# KiCad board rabbit_mask_video_edit.kicad_pcb (continued)
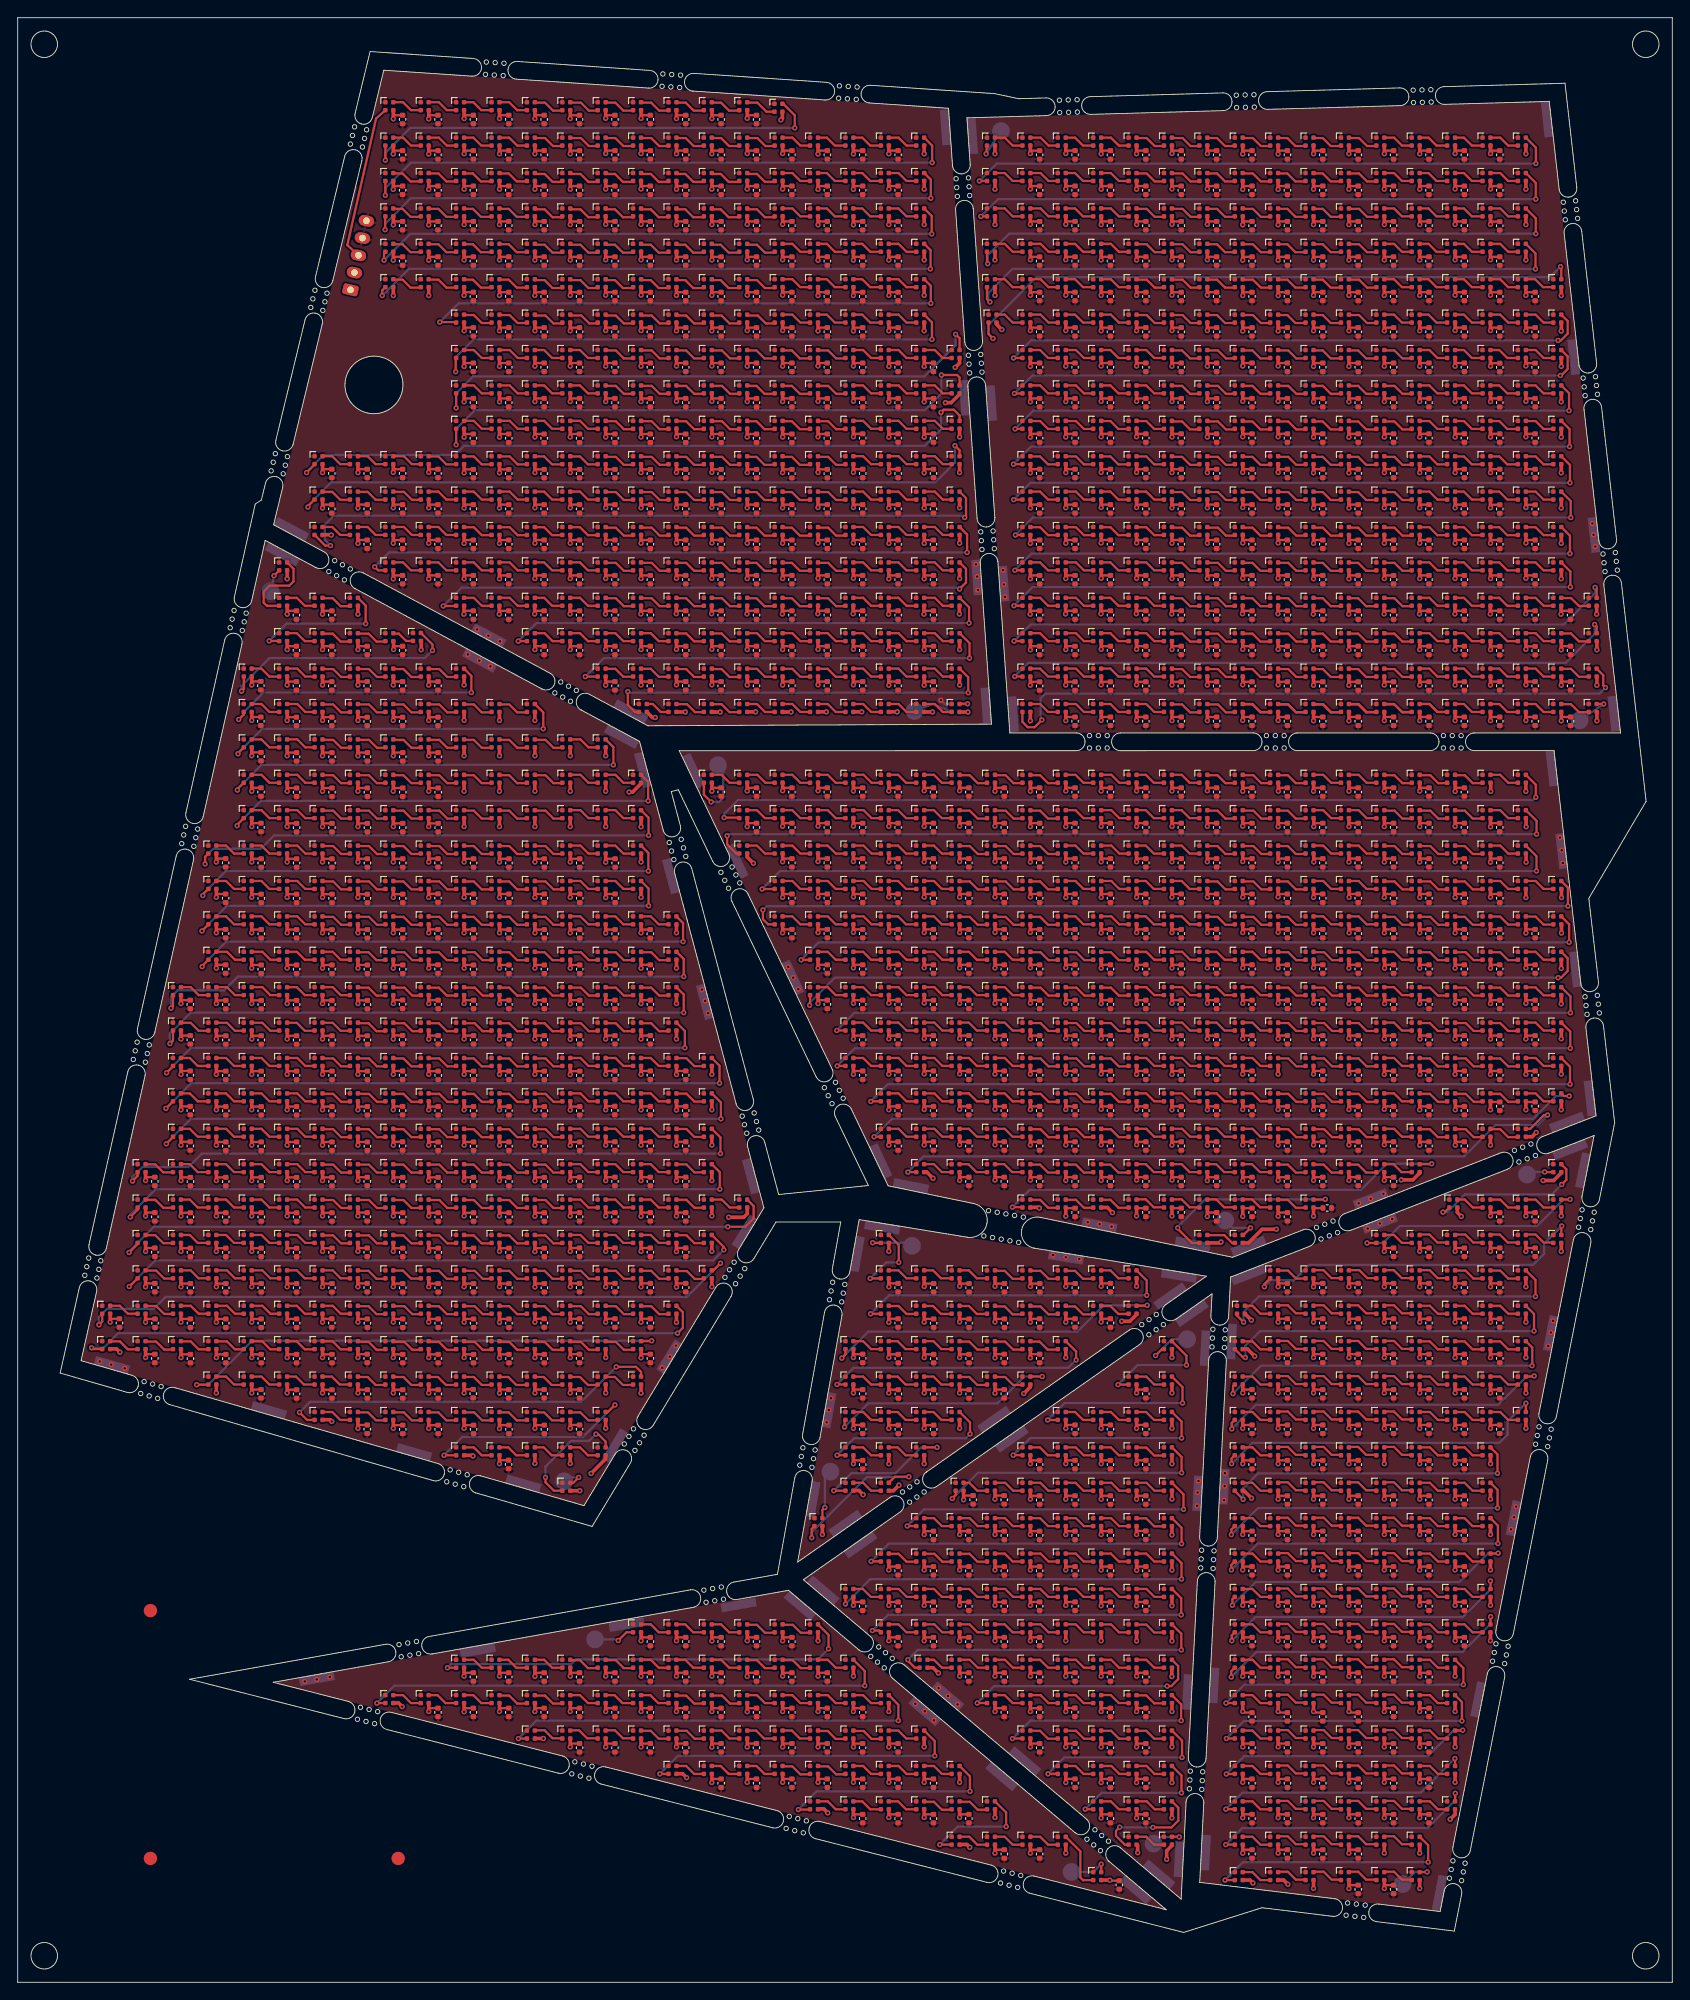
[diagram p0: board, top side]
## Routing (per net, layer and track width the routed paths; a pad name or vN(x,y) marks a point on that pad's centre or on a via; arc(x,y) is an arc through that point) (continued)
/1_IN: length 17.8
  Top w0.25: D1.1 40.5,210.6 37.25,196.3 J1485.3
/1_OUT: length 4.5
  Bottom w0.25: D1659.3 103.4,144.45 TP1500.1
/2_IN: length 4
  Top w0.25: D29.1 v1(109.45,206.62)
  Bottom w0.25: v1(109.45,206.62) TP1501.1
/2_OUT: length 4.1
  Top w0.25: D582.3 v1(179.25,144.45)
  Bottom w0.25: v1(179.25,144.45) TP1502.1
/3_IN: length 2.6
  Top w0.25: D408.1 v1(28.98,158.95)
  Bottom w0.25: v1(28.98,158.95) TP1504.1
/3_OUT: length 3
  Top w0.25: v1(63.4,57.05) 62.8,56.45 D1258.3
  Bottom w0.25: TP1514.1 62.2,57.05 v1(63.4,57.05)
/4_IN: length 8
  Top w0.25: v1(78.38,133.38) 77.55,134.2 D606.1
  Bottom w0.25: TP1503.1 79.75,136.93 79.75,133.85 79.28,133.38 v1(78.38,133.38)
/4_OUT: length 4.4
  Top w0.25: D1074.3 138.53,84.45 v1(139.32,85.25)
  Bottom w0.25: TP1505.1 137.3,85.25 v1(139.32,85.25)
/5_IN: length 5.5
  Top w0.25: v1(96.62,83.57) 96.65,83.55 D1072.1
  Bottom w0.25: TP1510.1 100.72,83.57 v1(96.62,83.57)
/5_OUT: length 5.6
  Top w0.25: D1276.3 90.95,53.38 v1(91.22,53.65)
  Bottom w0.25: v1(91.22,53.65) 91.22,57.07 TP1511.1
/6_IN: length 4.7
  Top w0.25: v1(67.88,38.62) 68.8,39.55 D1328.1
  Bottom w0.25: v1(67.88,38.62) 67.75,38.75 TP1513.1
/6_OUT: length 4.6
  Top w0.25: D1478.3 v1(122.45,13.35)
  Bottom w0.25: TP1512.1 121.57,12.47 v1(122.45,13.35)
/7_IN: length 5.6
  Top w0.25: v1(128.6,70.82) 129.32,71.55 D1171.1
  Bottom w0.25: TP1509.1 130.45,72.68 v1(128.6,70.82)
/7_OUT: length 4
  Top w0.25: v1(131.28,16.43) 131.25,16.45 D1471.3
  Bottom w0.25: TP1508.1 129.12,16.43 v1(131.28,16.43)
/8_IN: length 3.1
  Top w0.25: D1023.1 172.6,91.55 v1(172.57,91.57)
  Bottom w0.25: TP1506.1 170.88,91.57 v1(172.57,91.57)
/8_OUT: length 4.2
  Top w0.25: D1484.3 159.28,12.45 v1(159.3,12.47)
  Bottom w0.25: v1(159.3,12.47) 157.9,12.47 TP1507.1
Net-(D1-DOUT): length 3.5
  Top w0.25: D2.1 44.45,211.55 43.55,212.45 D1.3
Net-(D2-DOUT): length 3.5
  Top w0.25: 49.6,211.55 48.5,211.55 47.6,212.45 46.5,212.45
Net-(D3-DOUT): length 3.5
  Top w0.25: 53.5,211.55 52.4,211.55 51.5,212.45 50.4,212.45
Net-(D4-DOUT): length 3.5
  Top w0.25: D4.3 55.55,212.45 56.45,211.55 D5.1
Net-(D5-DOUT): length 3.5
  Top w0.25: 58.5,212.4 59.6,212.4 60.5,211.5 61.6,211.5
Net-(D6-DOUT): length 3.5
  Top w0.25: 62.55,212.4 63.65,212.4 64.55,211.5 65.65,211.5
Net-(D7-DOUT): length 3.5
  Top w0.25: 69.55,211.5 68.45,211.5 67.55,212.4 66.45,212.4
Net-(D8-DOUT): length 3.5
  Top w0.25: 70.5,212.4 71.6,212.4 72.5,211.5 73.6,211.5
Net-(D10-DIN): length 3.5
  Top w0.25: 74.4,212.4 75.5,212.4 76.4,211.5 77.5,211.5
Net-(D10-DOUT): length 3.5
  Top w0.25: 81.5,211.5 80.4,211.5 79.5,212.4 78.4,212.4
Net-(D11-DOUT): length 3.4
  Top w0.25: D12.1 84.62,211.38 83.6,212.4 82.5,212.4
Net-(D12-DOUT): length 53.3
  Top w0.25: D12.3 86.52,212.28 87.83,210.97 v1(87.83,209.55) ; v1(41.55,205.9) D13.1
  Bottom w0.25: v1(87.83,209.55) 44.37,209.55 41.55,206.73 v1(41.55,205.9)
Net-(D13-DOUT): length 3.5
  Top w0.25: D13.3 43.55,208.45 44.45,207.55 D14.1
Net-(D14-DOUT): length 3.5
  Top w0.25: 46.5,208.45 47.6,208.45 48.5,207.55 49.6,207.55
Net-(D15-DOUT): length 3.5
  Top w0.25: 50.4,208.45 51.5,208.45 52.4,207.55 53.5,207.55
Net-(D16-DOUT): length 3.5
  Top w0.25: D17.1 56.45,207.55 55.55,208.45 D16.3
Net-(D17-DOUT): length 3.5
  Top w0.25: 58.5,208.4 59.6,208.4 60.5,207.5 61.6,207.5
Net-(D18-DOUT): length 3.5
  Top w0.25: 65.65,207.5 64.55,207.5 63.65,208.4 62.55,208.4
Net-(D19-DOUT): length 3.5
  Top w0.25: 69.55,207.5 68.45,207.5 67.55,208.4 66.45,208.4
Net-(D20-DOUT): length 3.5
  Top w0.25: 70.5,208.4 71.6,208.4 72.5,207.5 73.6,207.5
Net-(D21-DOUT): length 3.5
  Top w0.25: 77.5,207.5 76.4,207.5 75.5,208.4 74.4,208.4
Net-(D22-DOUT): length 3.5
  Top w0.25: 81.5,207.5 80.4,207.5 79.5,208.4 78.4,208.4
Net-(D23-DOUT): length 3.5
  Top w0.25: 82.5,208.4 83.6,208.4 84.5,207.5 85.6,207.5
Net-(D24-DOUT): length 3.5
  Top w0.25: D25.1 88.45,207.55 87.55,208.45 D24.3
Net-(D25-DOUT): length 3.5
  Top w0.25: 93.45,207.55 92.35,207.55 91.45,208.45 90.35,208.45
Net-(D26-DOUT): length 3.5
  Top w0.25: 97.45,207.55 96.35,207.55 95.45,208.45 94.35,208.45
Net-(D27-DOUT): length 3.5
  Top w0.25: D28.1 100.45,207.55 99.55,208.45 D27.3
Net-(D28-DOUT): length 68.6
  Top w0.25: v1(103.35,205.62) 103.35,207.55 D28.3 ; v1(41.55,201.93) D45.1
  Bottom w0.25: v1(103.35,205.62) 44.45,205.62 41.55,202.73 v1(41.55,201.93)
Net-(D29-DOUT): length 3.5
  Top w0.25: D29.3 111.55,208.45 112.45,207.55 D30.1
Net-(D30-DOUT): length 3.5
  Top w0.25: 114.5,208.45 115.6,208.45 116.5,207.55 117.6,207.55
Net-(D31-DOUT): length 3.5
  Top w0.25: 118.4,208.45 119.5,208.45 120.4,207.55 121.5,207.55
Net-(D32-DOUT): length 3.5
  Top w0.25: D32.3 123.55,208.45 124.45,207.55 D33.1
Net-(D33-DOUT): length 3.5
  Top w0.25: 126.5,208.4 127.6,208.4 128.5,207.5 129.6,207.5
Net-(D34-DOUT): length 3.5
  Top w0.25: 133.65,207.5 132.55,207.5 131.65,208.4 130.55,208.4
Net-(D35-DOUT): length 3.5
  Top w0.25: 137.55,207.5 136.45,207.5 135.55,208.4 134.45,208.4
Net-(D36-DOUT): length 3.5
  Top w0.25: 138.5,208.4 139.6,208.4 140.5,207.5 141.6,207.5
Net-(D37-DOUT): length 3.5
  Top w0.25: 145.5,207.5 144.4,207.5 143.5,208.4 142.4,208.4
Net-(D38-DOUT): length 3.5
  Top w0.25: 149.5,207.5 148.4,207.5 147.5,208.4 146.4,208.4
Net-(D39-DOUT): length 3.5
  Top w0.25: 150.5,208.4 151.6,208.4 152.5,207.5 153.6,207.5
Net-(D40-DOUT): length 3.5
  Top w0.25: D40.3 155.55,208.45 156.45,207.55 D41.1
Net-(D41-DOUT): length 3.5
  Top w0.25: 161.45,207.55 160.35,207.55 159.45,208.45 158.35,208.45
Net-(D42-DOUT): length 3.5
  Top w0.25: 165.45,207.55 164.35,207.55 163.45,208.45 162.35,208.45
Net-(D43-DOUT): length 3.5
  Top w0.25: D44.1 168.45,207.55 167.55,208.45 D43.3
Net-(D44-DOUT): length 68
  Top w0.25: v1(171.58,205.52) 171.58,207.32 D44.3 ; v1(108.69,203.55) D61.1
  Bottom w0.25: v1(108.69,203.55) 110.66,205.52 v1(171.58,205.52)
Net-(D45-DOUT): length 3.5
  Top w0.25: 42.4,204.4 43.5,204.4 44.4,203.5 45.5,203.5
Net-(D46-DOUT): length 3.5
  Top w0.25: 46.45,204.4 47.55,204.4 48.45,203.5 49.55,203.5
Net-(D47-DOUT): length 3.5
  Top w0.25: 50.35,204.4 51.45,204.4 52.35,203.5 53.45,203.5
Net-(D48-DOUT): length 3.5
  Top w0.25: 54.4,204.4 55.5,204.4 56.4,203.5 57.5,203.5
Net-(D49-DOUT): length 3.5
  Top w0.25: 58.45,204.35 59.55,204.35 60.45,203.45 61.55,203.45
Net-(D50-DOUT): length 3.5
  Top w0.25: 65.6,203.45 64.5,203.45 63.6,204.35 62.5,204.35
Net-(D51-DOUT): length 3.5
  Top w0.25: 66.4,204.35 67.5,204.35 68.4,203.45 69.5,203.45
Net-(D52-DOUT): length 3.5
  Top w0.25: 70.45,204.35 71.55,204.35 72.45,203.45 73.55,203.45
Net-(D53-DOUT): length 3.5
  Top w0.25: 74.35,204.35 75.45,204.35 76.35,203.45 77.45,203.45
Net-(D54-DOUT): length 3.5
  Top w0.25: 78.35,204.35 79.45,204.35 80.35,203.45 81.45,203.45
Net-(D55-DOUT): length 3.5
  Top w0.25: 85.55,203.45 84.45,203.45 83.55,204.35 82.45,204.35
Net-(D56-DOUT): length 3.5
  Top w0.25: D56.3 87.55,204.45 88.45,203.55 D57.1
Net-(D57-DOUT): length 3.5
  Top w0.25: 90.35,204.45 91.45,204.45 92.35,203.55 93.45,203.55
Net-(D58-DOUT): length 3.5
  Top w0.25: 97.45,203.55 96.35,203.55 95.45,204.45 94.35,204.45
Net-(D59-DOUT): length 3.5
  Top w0.25: D60.1 100.45,203.55 99.55,204.45 D59.3
Net-(D60-DOUT): length 68.2
  Top w0.25: D60.3 103.2,203.7 v1(103.2,201.6) ; v1(41.53,198.05) 41.53,199.53 D77.1
  Bottom w0.25: v1(103.2,201.6) 44.42,201.6 41.53,198.7 v1(41.53,198.05)
Net-(D61-DOUT): length 3.5
  Top w0.25: D62.1 112.45,203.55 111.55,204.45 D61.3
Net-(D62-DOUT): length 3.5
  Top w0.25: 114.5,204.45 115.6,204.45 116.5,203.55 117.6,203.55
Net-(D63-DOUT): length 3.5
  Top w0.25: 121.5,203.55 120.4,203.55 119.5,204.45 118.4,204.45
Net-(D64-DOUT): length 3.5
  Top w0.25: D64.3 123.55,204.45 124.45,203.55 D65.1
Net-(D65-DOUT): length 3.5
  Top w0.25: 129.6,203.5 128.5,203.5 127.6,204.4 126.5,204.4
Net-(D66-DOUT): length 3.5
  Top w0.25: 130.55,204.4 131.65,204.4 132.55,203.5 133.65,203.5
Net-(D67-DOUT): length 3.5
  Top w0.25: 137.55,203.5 136.45,203.5 135.55,204.4 134.45,204.4
Net-(D68-DOUT): length 3.5
  Top w0.25: 141.6,203.5 140.5,203.5 139.6,204.4 138.5,204.4
Net-(D69-DOUT): length 3.5
  Top w0.25: 145.5,203.5 144.4,203.5 143.5,204.4 142.4,204.4
Net-(D70-DOUT): length 3.5
  Top w0.25: 149.5,203.5 148.4,203.5 147.5,204.4 146.4,204.4
Net-(D71-DOUT): length 3.5
  Top w0.25: 150.5,204.4 151.6,204.4 152.5,203.5 153.6,203.5
Net-(D72-DOUT): length 3.5
  Top w0.25: D73.1 156.45,203.55 155.55,204.45 D72.3
Net-(D73-DOUT): length 3.5
  Top w0.25: 161.45,203.55 160.35,203.55 159.45,204.45 158.35,204.45
Net-(D74-DOUT): length 3.5
  Top w0.25: 162.35,204.45 163.45,204.45 164.35,203.55 165.45,203.55
Net-(D75-DOUT): length 3.5
  Top w0.25: D76.1 168.45,203.55 167.55,204.45 D75.3
Net-(D76-DOUT): length 67.6
  Top w0.25: v1(171.57,201.5) 171.57,203.33 D76.3 ; v1(108.85,199.55) D93.1
  Bottom w0.25: v1(108.85,199.55) 110.8,201.5 v1(171.57,201.5)
Net-(D77-DOUT): length 3.5
  Top w0.25: 42.4,200.4 43.5,200.4 44.4,199.5 45.5,199.5
Net-(D78-DOUT): length 3.5
  Top w0.25: 49.55,199.5 48.45,199.5 47.55,200.4 46.45,200.4
Net-(D79-DOUT): length 3.5
  Top w0.25: 53.45,199.5 52.35,199.5 51.45,200.4 50.35,200.4
Net-(D80-DOUT): length 3.5
  Top w0.25: 57.5,199.5 56.4,199.5 55.5,200.4 54.4,200.4
Net-(D81-DOUT): length 3.5
  Top w0.25: 61.55,199.45 60.45,199.45 59.55,200.35 58.45,200.35
Net-(D82-DOUT): length 3.5
  Top w0.25: 65.6,199.45 64.5,199.45 63.6,200.35 62.5,200.35
Net-(D83-DOUT): length 3.5
  Top w0.25: 66.4,200.35 67.5,200.35 68.4,199.45 69.5,199.45
Net-(D84-DOUT): length 3.5
  Top w0.25: 70.45,200.35 71.55,200.35 72.45,199.45 73.55,199.45
Net-(D85-DOUT): length 3.5
  Top w0.25: 74.35,200.35 75.45,200.35 76.35,199.45 77.45,199.45
Net-(D86-DOUT): length 3.5
  Top w0.25: 78.35,200.35 79.45,200.35 80.35,199.45 81.45,199.45
Net-(D87-DOUT): length 3.5
  Top w0.25: 82.45,200.35 83.55,200.35 84.45,199.45 85.55,199.45
Net-(D88-DOUT): length 3.5
  Top w0.25: D88.3 87.55,200.45 88.45,199.55 D89.1
Net-(D89-DOUT): length 3.5
  Top w0.25: 90.35,200.45 91.45,200.45 92.35,199.55 93.45,199.55
Net-(D90-DOUT): length 3.5
  Top w0.25: 97.45,199.55 96.35,199.55 95.45,200.45 94.35,200.45
Net-(D91-DOUT): length 3.5
  Top w0.25: D92.1 100.45,199.55 99.55,200.45 D91.3
Net-(D93-DOUT): length 3.5
  Top w0.25: D93.3 111.55,200.45 112.45,199.55 D94.1
Net-(D94-DOUT): length 3.5
  Top w0.25: 114.5,200.45 115.6,200.45 116.5,199.55 117.6,199.55
Net-(D95-DOUT): length 3.5
  Top w0.25: 121.5,199.55 120.4,199.55 119.5,200.45 118.4,200.45
Net-(D96-DOUT): length 3.5
  Top w0.25: D97.1 124.45,199.55 123.55,200.45 D96.3
Net-(D97-DOUT): length 3.5
  Top w0.25: 129.6,199.5 128.5,199.5 127.6,200.4 126.5,200.4
Net-(D98-DOUT): length 3.5
  Top w0.25: 130.55,200.4 131.65,200.4 132.55,199.5 133.65,199.5
Net-(D100-DIN): length 3.5
  Top w0.25: 137.55,199.5 136.45,199.5 135.55,200.4 134.45,200.4
Net-(D100-DOUT): length 3.5
  Top w0.25: 138.5,200.4 139.6,200.4 140.5,199.5 141.6,199.5
Net-(D101-DOUT): length 3.5
  Top w0.25: 142.4,200.4 143.5,200.4 144.4,199.5 145.5,199.5
Net-(D102-DOUT): length 3.5
  Top w0.25: 149.5,199.5 148.4,199.5 147.5,200.4 146.4,200.4
Net-(D103-DOUT): length 3.5
  Top w0.25: 150.5,200.4 151.6,200.4 152.5,199.5 153.6,199.5
Net-(D104-DOUT): length 3.5
  Top w0.25: D104.3 155.55,200.45 156.45,199.55 D105.1
Net-(D105-DOUT): length 3.5
  Top w0.25: 158.35,200.45 159.45,200.45 160.35,199.55 161.45,199.55
Net-(D106-DOUT): length 3.5
  Top w0.25: 165.45,199.55 164.35,199.55 163.45,200.45 162.35,200.45
Net-(D107-DOUT): length 3.5
  Top w0.25: D108.1 168.45,199.55 167.55,200.45 D107.3
Net-(D108-DOUT): length 68.6
  Top w0.25: D108.3 171.57,199.33 v1(171.57,197.59) ; v1(109.62,194.2) 109.55,194.28 D126.1
  Bottom w0.25: v1(171.57,197.59) 112.06,197.59 109.62,195.16 v1(109.62,194.2)
Net-(D110-DIN): length 67.4
  Top w0.25: D110.1 41.4,195.4 v1(41.4,194.6) ; v1(103.3,197.57) 103.3,199.6 D92.3
  Bottom w0.25: v1(103.3,197.57) 44.38,197.57 v1(41.4,194.6)
Net-(D110-DOUT): length 3.5
  Top w0.25: 45.5,195.5 44.4,195.5 43.5,196.4 42.4,196.4
Net-(D111-DOUT): length 3.5
  Top w0.25: 49.55,195.5 48.45,195.5 47.55,196.4 46.45,196.4
Net-(D112-DOUT): length 3.5
  Top w0.25: 53.45,195.5 52.35,195.5 51.45,196.4 50.35,196.4
Net-(D113-DOUT): length 3.5
  Top w0.25: 54.4,196.4 55.5,196.4 56.4,195.5 57.5,195.5
Net-(D114-DOUT): length 3.5
  Top w0.25: 61.55,195.45 60.45,195.45 59.55,196.35 58.45,196.35
Net-(D115-DOUT): length 3.5
  Top w0.25: 62.5,196.35 63.6,196.35 64.5,195.45 65.6,195.45
Net-(D116-DOUT): length 3.5
  Top w0.25: 69.5,195.45 68.4,195.45 67.5,196.35 66.4,196.35
Net-(D117-DOUT): length 3.5
  Top w0.25: 73.55,195.45 72.45,195.45 71.55,196.35 70.45,196.35
Net-(D118-DOUT): length 3.5
  Top w0.25: 74.35,196.35 75.45,196.35 76.35,195.45 77.45,195.45
Net-(D119-DOUT): length 3.5
  Top w0.25: 81.45,195.45 80.35,195.45 79.45,196.35 78.35,196.35
Net-(D120-DOUT): length 3.5
  Top w0.25: 82.45,196.35 83.55,196.35 84.45,195.45 85.55,195.45
Net-(D121-DOUT): length 3.5
  Top w0.25: D122.1 88.45,195.55 87.55,196.45 D121.3
Net-(D122-DOUT): length 3.5
  Top w0.25: 90.35,196.45 91.45,196.45 92.35,195.55 93.45,195.55
Net-(D123-DOUT): length 3.5
  Top w0.25: 97.45,195.55 96.35,195.55 95.45,196.45 94.35,196.45
Net-(D124-DOUT): length 3.5
  Top w0.25: D124.3 99.55,196.45 100.45,195.55 D125.1
Net-(D125-DOUT): length 67.4
  Top w0.25: D125.3 103.18,195.72 103.18,193.65 v1(103.15,193.62) ; v1(41.2,190.6) 41.2,191.2 D143.1
  Bottom w0.25: v1(41.2,190.6) 44.22,193.62 v1(103.15,193.62)
Net-(D126-DOUT): length 3.5
  Top w0.25: D127.1 112.45,195.55 111.55,196.45 D126.3
Net-(D127-DOUT): length 3.5
  Top w0.25: 114.5,196.45 115.6,196.45 116.5,195.55 117.6,195.55
Net-(D128-DOUT): length 3.5
  Top w0.25: 121.5,195.55 120.4,195.55 119.5,196.45 118.4,196.45
Net-(D129-DOUT): length 3.5
  Top w0.25: D130.1 124.45,195.55 123.55,196.45 D129.3
Net-(D130-DOUT): length 3.5
  Top w0.25: 129.6,195.5 128.5,195.5 127.6,196.4 126.5,196.4
Net-(D131-DOUT): length 3.5
  Top w0.25: 130.55,196.4 131.65,196.4 132.55,195.5 133.65,195.5
Net-(D132-DOUT): length 3.5
  Top w0.25: 134.45,196.4 135.55,196.4 136.45,195.5 137.55,195.5
Net-(D133-DOUT): length 3.5
  Top w0.25: 138.5,196.4 139.6,196.4 140.5,195.5 141.6,195.5
Net-(D134-DOUT): length 3.5
  Top w0.25: 142.4,196.4 143.5,196.4 144.4,195.5 145.5,195.5
Net-(D135-DOUT): length 3.5
  Top w0.25: 149.5,195.5 148.4,195.5 147.5,196.4 146.4,196.4
Net-(D136-DOUT): length 3.5
  Top w0.25: 150.5,196.4 151.6,196.4 152.5,195.5 153.6,195.5
Net-(D137-DOUT): length 3.5
  Top w0.25: D137.3 155.55,196.45 156.45,195.55 D138.1
Net-(D138-DOUT): length 3.5
  Top w0.25: 158.35,196.45 159.45,196.45 160.35,195.55 161.45,195.55
Net-(D139-DOUT): length 3.5
  Top w0.25: 165.45,195.55 164.35,195.55 163.45,196.45 162.35,196.45
Net-(D140-DOUT): length 3.5
  Top w0.25: D140.3 167.55,196.45 168.45,195.55 D141.1
Net-(D141-DOUT): length 69.1
  Top w0.25: D141.3 171.54,195.36 v1(171.54,193.61) ; v1(109.88,189.88) 109.55,190.2 D159.1
  Bottom w0.25: v1(171.54,193.61) 112.41,193.61 109.72,190.93 109.72,190.03 v1(109.88,189.88)
Net-(D143-DOUT): length 3.5
  Top w0.25: 42.4,192.4 43.5,192.4 44.4,191.5 45.5,191.5
Net-(D144-DOUT): length 3.5
  Top w0.25: 49.55,191.5 48.45,191.5 47.55,192.4 46.45,192.4
Net-(D145-DOUT): length 3.5
  Top w0.25: 53.45,191.5 52.35,191.5 51.45,192.4 50.35,192.4
Net-(D146-DOUT): length 3.5
  Top w0.25: 54.4,192.4 55.5,192.4 56.4,191.5 57.5,191.5
Net-(D147-DOUT): length 3.5
  Top w0.25: 58.45,192.35 59.55,192.35 60.45,191.45 61.55,191.45
Net-(D148-DOUT): length 3.5
  Top w0.25: 62.5,192.35 63.6,192.35 64.5,191.45 65.6,191.45
Net-(D149-DOUT): length 3.5
  Top w0.25: 66.4,192.35 67.5,192.35 68.4,191.45 69.5,191.45
Net-(D150-DOUT): length 3.5
  Top w0.25: 73.55,191.45 72.45,191.45 71.55,192.35 70.45,192.35
Net-(D151-DOUT): length 3.5
  Top w0.25: 74.35,192.35 75.45,192.35 76.35,191.45 77.45,191.45
Net-(D152-DOUT): length 3.5
  Top w0.25: 81.45,191.45 80.35,191.45 79.45,192.35 78.35,192.35
Net-(D153-DOUT): length 3.5
  Top w0.25: 82.45,192.35 83.55,192.35 84.45,191.45 85.55,191.45
Net-(D154-DOUT): length 3.5
  Top w0.25: D155.1 88.45,191.55 87.55,192.45 D154.3
Net-(D155-DOUT): length 3.5
  Top w0.25: 90.35,192.45 91.45,192.45 92.35,191.55 93.45,191.55
Net-(D156-DOUT): length 3.5
  Top w0.25: 94.35,192.45 95.45,192.45 96.35,191.55 97.45,191.55
Net-(D157-DOUT): length 3.5
  Top w0.25: D157.3 99.55,192.45 100.45,191.55 D158.1
Net-(D158-DOUT): length 61.3
  Top w0.25: v1(103.2,189.72) 103.2,191.7 D158.3 ; D179.1 49.5,187.6 v1(47.7,187.6)
  Bottom w0.25: v1(47.7,187.6) 49.83,189.72 v1(103.2,189.72)
Net-(D159-DOUT): length 3.5
  Top w0.25: D160.1 112.45,191.55 111.55,192.45 D159.3
Net-(D160-DOUT): length 3.5
  Top w0.25: 114.5,192.45 115.6,192.45 116.5,191.55 117.6,191.55
Net-(D161-DOUT): length 3.5
  Top w0.25: 121.5,191.55 120.4,191.55 119.5,192.45 118.4,192.45
Net-(D162-DOUT): length 3.5
  Top w0.25: D163.1 124.45,191.55 123.55,192.45 D162.3
Net-(D163-DOUT): length 3.5
  Top w0.25: 126.5,192.4 127.6,192.4 128.5,191.5 129.6,191.5
Net-(D164-DOUT): length 3.5
  Top w0.25: 130.55,192.4 131.65,192.4 132.55,191.5 133.65,191.5
Net-(D165-DOUT): length 3.5
  Top w0.25: 137.55,191.5 136.45,191.5 135.55,192.4 134.45,192.4
Net-(D166-DOUT): length 3.5
  Top w0.25: 138.5,192.4 139.6,192.4 140.5,191.5 141.6,191.5
Net-(D167-DOUT): length 3.5
  Top w0.25: 142.4,192.4 143.5,192.4 144.4,191.5 145.5,191.5
Net-(D168-DOUT): length 3.5
  Top w0.25: 146.4,192.4 147.5,192.4 148.4,191.5 149.5,191.5
Net-(D169-DOUT): length 3.5
  Top w0.25: 150.5,192.4 151.6,192.4 152.5,191.5 153.6,191.5
Net-(D170-DOUT): length 3.5
  Top w0.25: D171.1 156.45,191.55 155.55,192.45 D170.3
Net-(D171-DOUT): length 3.5
  Top w0.25: 158.35,192.45 159.45,192.45 160.35,191.55 161.45,191.55
Net-(D172-DOUT): length 3.5
  Top w0.25: 165.45,191.55 164.35,191.55 163.45,192.45 162.35,192.45
Net-(D173-DOUT): length 3.5
  Top w0.25: D174.1 168.45,191.55 167.55,192.45 D173.3
Net-(D174-DOUT): length 3.5
  Top w0.25: 173.5,191.55 172.4,191.55 171.5,192.45 170.4,192.45
Net-(D175-DOUT): length 72.6
  Top w0.25: v1(110.22,185.75) 109.72,186.25 109.72,187.55 ; D175.3 174.45,193.79 v1(174.37,193.87)
  Bottom w0.25: v1(174.37,193.87) 173.19,192.69 115.15,192.69 109.72,187.26 109.72,186.25 v1(110.22,185.75)
Net-(D179-DOUT): length 3.5
  Top w0.25: 53.55,187.5 52.45,187.5 51.55,188.4 50.45,188.4
Net-(D180-DOUT): length 3.5
  Top w0.25: 57.6,187.5 56.5,187.5 55.6,188.4 54.5,188.4
Net-(D181-DOUT): length 3.5
  Top w0.25: 61.65,187.45 60.55,187.45 59.65,188.35 58.55,188.35
Net-(D182-DOUT): length 3.5
  Top w0.25: 62.6,188.35 63.7,188.35 64.6,187.45 65.7,187.45
Net-(D183-DOUT): length 3.5
  Top w0.25: 69.6,187.45 68.5,187.45 67.6,188.35 66.5,188.35
Net-(D184-DOUT): length 3.5
  Top w0.25: 70.55,188.35 71.65,188.35 72.55,187.45 73.65,187.45
Net-(D185-DOUT): length 3.5
  Top w0.25: 77.55,187.45 76.45,187.45 75.55,188.35 74.45,188.35
Net-(D186-DOUT): length 3.5
  Top w0.25: 78.45,188.35 79.55,188.35 80.45,187.45 81.55,187.45
Net-(D187-DOUT): length 3.5
  Top w0.25: 85.65,187.45 84.55,187.45 83.65,188.35 82.55,188.35
Net-(D188-DOUT): length 3.5
  Top w0.25: D188.3 87.55,188.45 88.45,187.55 D189.1
Net-(D189-DOUT): length 3.5
  Top w0.25: 90.35,188.45 91.45,188.45 92.35,187.55 93.45,187.55
Net-(D190-DOUT): length 3.5
  Top w0.25: 94.35,188.45 95.45,188.45 96.35,187.55 97.45,187.55
Net-(D191-DOUT): length 3.5
  Top w0.25: D192.1 100.45,187.55 99.55,188.45 D191.3
Net-(D192-DOUT): length 61
  Top w0.25: v1(49.5,182) 49.5,183.5 D210.1 ; D192.3 103.32,187.57 v1(103.32,185.65)
  Bottom w0.25: v1(103.32,185.65) 51.53,185.65 49.5,183.62 v1(49.5,182)
Net-(D193-DOUT): length 3.3
  Top w0.25: D193.3 111.55,188.45 112.45,187.55 D194.1
Net-(D194-DOUT): length 3.5
  Top w0.25: 114.5,188.45 115.6,188.45 116.5,187.55 117.6,187.55
Net-(D195-DOUT): length 3.5
  Top w0.25: 118.4,188.45 119.5,188.45 120.4,187.55 121.5,187.55
Net-(D196-DOUT): length 3.5
  Top w0.25: D196.3 123.55,188.45 124.45,187.55 D197.1
Net-(D197-DOUT): length 3.5
  Top w0.25: 126.5,188.4 127.6,188.4 128.5,187.5 129.6,187.5
Net-(D198-DOUT): length 3.5
  Top w0.25: 133.65,187.5 132.55,187.5 131.65,188.4 130.55,188.4
Net-(D199-DOUT): length 3.5
  Top w0.25: 137.55,187.5 136.45,187.5 135.55,188.4 134.45,188.4
Net-(D200-DOUT): length 3.5
  Top w0.25: 138.5,188.4 139.6,188.4 140.5,187.5 141.6,187.5
Net-(D201-DOUT): length 3.5
  Top w0.25: 145.5,187.5 144.4,187.5 143.5,188.4 142.4,188.4
Net-(D202-DOUT): length 3.5
  Top w0.25: 146.4,188.4 147.5,188.4 148.4,187.5 149.5,187.5
Net-(D203-DOUT): length 3.5
  Top w0.25: 150.5,188.4 151.6,188.4 152.5,187.5 153.6,187.5
Net-(D204-DOUT): length 3.5
  Top w0.25: D205.1 156.45,187.55 155.55,188.45 D204.3
Net-(D205-DOUT): length 3.5
  Top w0.25: 158.35,188.45 159.45,188.45 160.35,187.55 161.45,187.55
Net-(D206-DOUT): length 3.5
  Top w0.25: 162.35,188.45 163.45,188.45 164.35,187.55 165.45,187.55
Net-(D207-DOUT): length 3.5
  Top w0.25: D208.1 168.45,187.55 167.55,188.45 D207.3
Net-(D208-DOUT): length 3.5
  Top w0.25: D208.3 171.55,188.45 172.45,187.55 D209.1
Net-(D209-DOUT): length 67.2
  Top w0.25: v1(174.1,185.53) 174.41,185.53 175.18,186.3 175.18,187.72 D209.3 ; v1(112.55,183.55) D225.1
  Bottom w0.25: v1(112.55,183.55) 114.53,185.53 v1(174.1,185.53)
Net-(D210-DOUT): length 3.5
  Top w0.25: D211.1 52.45,183.55 51.55,184.45 D210.3
Net-(D211-DOUT): length 3.5
  Top w0.25: 57.6,183.55 56.5,183.55 55.6,184.45 54.5,184.45
Net-(D212-DOUT): length 3.5
  Top w0.25: 61.5,183.55 60.4,183.55 59.5,184.45 58.4,184.45
Net-(D213-DOUT): length 3.5
  Top w0.25: D214.1 64.45,183.55 63.55,184.45 D213.3
Net-(D214-DOUT): length 3.5
  Top w0.25: 69.6,183.5 68.5,183.5 67.6,184.4 66.5,184.4
Net-(D215-DOUT): length 3.5
  Top w0.25: 70.55,184.4 71.65,184.4 72.55,183.5 73.65,183.5
Net-(D216-DOUT): length 3.5
  Top w0.25: 74.45,184.4 75.55,184.4 76.45,183.5 77.55,183.5
Net-(D217-DOUT): length 3.5
  Top w0.25: 81.6,183.5 80.5,183.5 79.6,184.4 78.5,184.4
Net-(D218-DOUT): length 3.5
  Top w0.25: 85.5,183.5 84.4,183.5 83.5,184.4 82.4,184.4
Net-(D219-DOUT): length 3.5
  Top w0.25: 89.5,183.5 88.4,183.5 87.5,184.4 86.4,184.4
Net-(D220-DOUT): length 3.5
  Top w0.25: 93.6,183.5 92.5,183.5 91.6,184.4 90.5,184.4
Net-(D221-DOUT): length 3.5
  Top w0.25: D221.3 95.55,184.45 96.45,183.55 D222.1
Net-(D222-DOUT): length 3.5
  Top w0.25: D223.1 100.45,183.55 99.55,184.45 D222.3
Net-(D223-DOUT): length 3.5
  Top w0.25: 102.55,184.45 103.65,184.45 104.55,183.55 105.65,183.55
Net-(D224-DOUT): length 65.2
  Top w0.25: D224.3 106.45,185.78 v1(106,186.22) ; v1(49.55,177.9) D241.1
  Bottom w0.25: v1(106,186.22) 106,185 102.47,181.47 51.47,181.47 D241.1 v1(49.55,177.9)
Net-(D225-DOUT): length 3.5
  Top w0.25: D226.1 116.45,183.55 115.55,184.45 D225.3
Net-(D226-DOUT): length 3.5
  Top w0.25: 118.5,184.45 119.6,184.45 120.5,183.55 121.6,183.55
Net-(D227-DOUT): length 3.5
  Top w0.25: 122.4,184.45 123.5,184.45 124.4,183.55 125.5,183.55
Net-(D228-DOUT): length 3.5
  Top w0.25: D228.3 127.55,184.45 128.45,183.55 D229.1
Net-(D229-DOUT): length 3.5
  Top w0.25: 133.6,183.5 132.5,183.5 131.6,184.4 130.5,184.4
Net-(D230-DOUT): length 3.5
  Top w0.25: 134.55,184.4 135.65,184.4 136.55,183.5 137.65,183.5
Net-(D231-DOUT): length 3.5
  Top w0.25: 138.45,184.4 139.55,184.4 140.45,183.5 141.55,183.5
Net-(D232-DOUT): length 3.5
  Top w0.25: 145.6,183.5 144.5,183.5 143.6,184.4 142.5,184.4
Net-(D233-DOUT): length 3.5
  Top w0.25: 149.5,183.5 148.4,183.5 147.5,184.4 146.4,184.4
Net-(D234-DOUT): length 3.5
  Top w0.25: 150.4,184.4 151.5,184.4 152.4,183.5 153.5,183.5
Net-(D235-DOUT): length 3.5
  Top w0.25: 157.6,183.5 156.5,183.5 155.6,184.4 154.5,184.4
Net-(D236-DOUT): length 3.5
  Top w0.25: D236.3 159.55,184.45 160.45,183.55 D237.1
Net-(D237-DOUT): length 3.5
  Top w0.25: 165.45,183.55 164.35,183.55 163.45,184.45 162.35,184.45
Net-(D238-DOUT): length 3.5
  Top w0.25: 166.35,184.45 167.45,184.45 168.35,183.55 169.45,183.55
Net-(D239-DOUT): length 3.5
  Top w0.25: D239.3 171.55,184.45 172.45,183.55 D240.1
Net-(D240-DOUT): length 67
  Top w0.25: D256.1 113.54,179.54 v1(112.65,179.54) ; v1(174.35,181.57) 174.45,181.57 175.18,182.3 175.18,183.72 D240.3
  Bottom w0.25: v1(112.65,179.54) 114.68,181.57 v1(174.35,181.57)
Net-(D241-DOUT): length 3.5
  Top w0.25: D241.3 51.55,180.45 52.45,179.55 D242.1
Net-(D242-DOUT): length 3.5
  Top w0.25: 54.5,180.45 55.6,180.45 56.5,179.55 57.6,179.55
Net-(D243-DOUT): length 3.5
  Top w0.25: 58.4,180.45 59.5,180.45 60.4,179.55 61.5,179.55
Net-(D244-DOUT): length 3.5
  Top w0.25: D245.1 64.45,179.55 63.55,180.45 D244.3
Net-(D245-DOUT): length 3.5
  Top w0.25: 66.5,180.4 67.6,180.4 68.5,179.5 69.6,179.5
Net-(D246-DOUT): length 3.5
  Top w0.25: 73.65,179.5 72.55,179.5 71.65,180.4 70.55,180.4
Net-(D247-DOUT): length 3.5
  Top w0.25: 74.45,180.4 75.55,180.4 76.45,179.5 77.55,179.5
Net-(D248-DOUT): length 3.5
  Top w0.25: 81.6,179.5 80.5,179.5 79.6,180.4 78.5,180.4
Net-(D249-DOUT): length 3.5
  Top w0.25: 82.4,180.4 83.5,180.4 84.4,179.5 85.5,179.5